# Altium PCB Zenith Solar Panel 2U.PcbDoc
Units mm, origin at the board's own origin, x right, y up, seen from the top; angles counter-clockwise.
Board outline 214 x 87 mm, 2 copper layers (Top Layer, Bottom Layer), stack 1.649 mm thick; 59 components, 40 nets, 199 pads, 725 vias.
Unrouted connection lines stored in the file: 33.
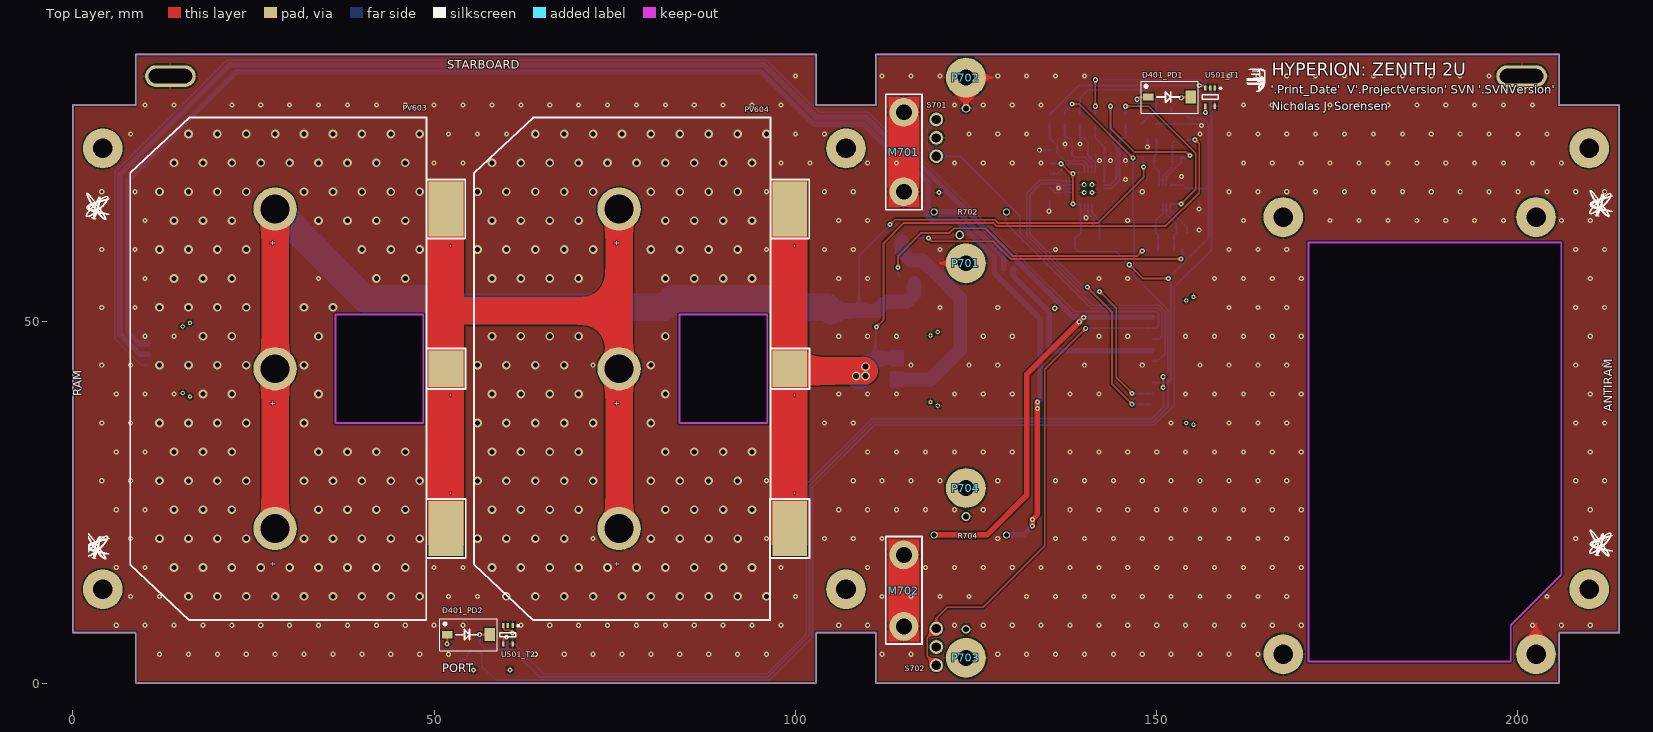
[diagram p0: Top Layer view]
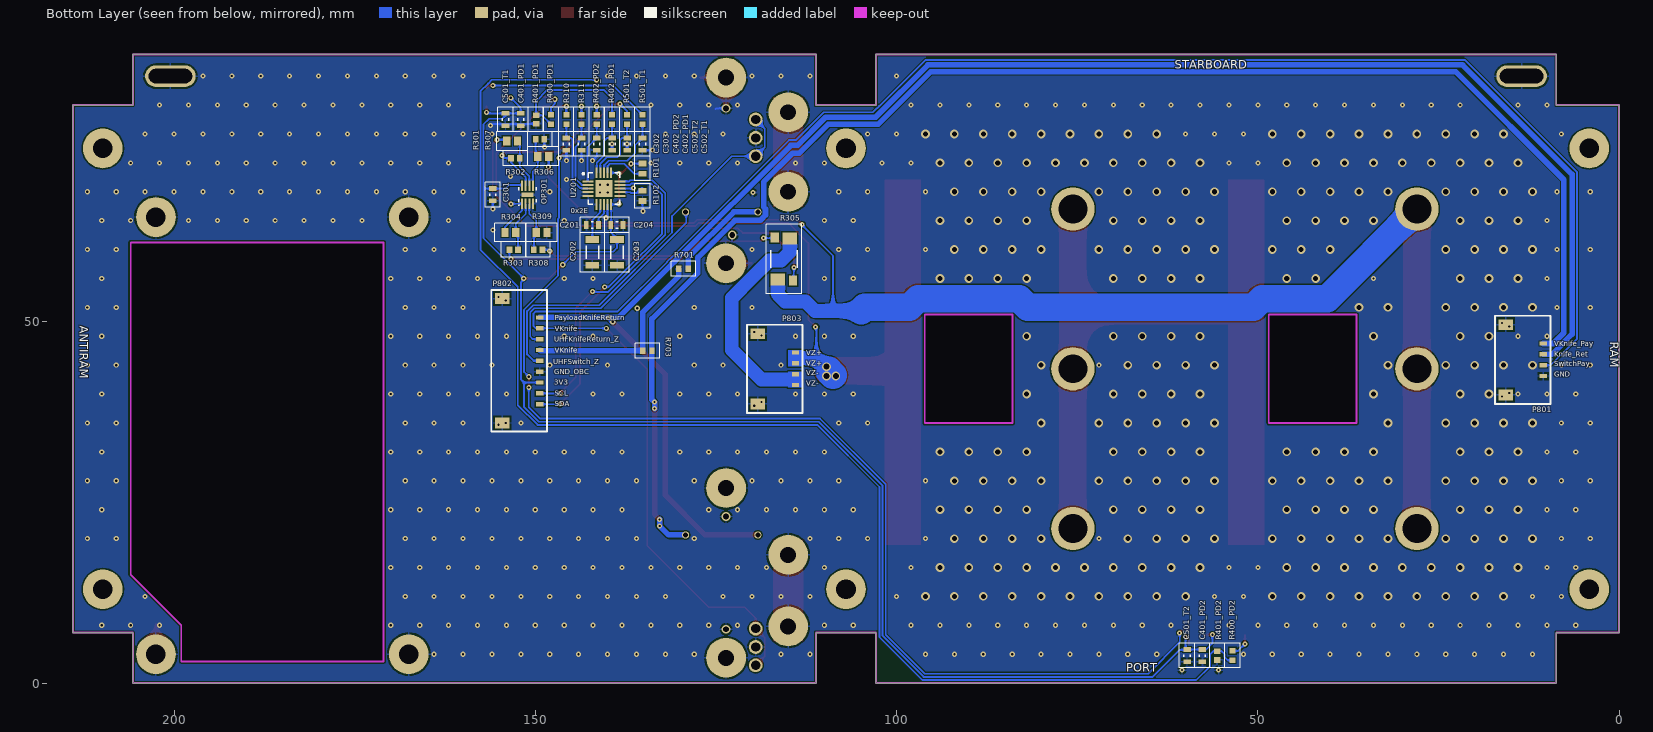
[diagram p1: Bottom Layer view, seen from below]

## Layer stack, top to bottom
Top Solder: solder mask 0.01, Solder Resist, Dk 3.5
Top Layer: signal copper 0.07
Dielectric 1: dielectric 1.509, FR-4, Dk 4.8
Bottom Layer: signal copper 0.07
Bottom Solder: solder mask 0.01, Solder Resist, Dk 3.5

## Board outline
0,7 8.7,7 8.7,0 102.85,0 102.85,7 111.15,7 111.15,0 205.7,0 205.7,7 214,7 214,80 205.697,80 205.697,87 111.15,87 111.15,80 102.85,80 102.85,87 8.7,87 8.7,80 0,80
cut-out: 96.1,51 83.95,51 83.95,36 96.1,36
cut-out: 48.5,51 36.35,51 36.35,36 48.5,36
cut-out: 206,61 171,61 171,3 199,3 199,8 206,15

## Design rules (kind name [scope] priority, off if disabled: settings)
BoardOutlineClearance [All] p1: gap=0.254 ignorepadtopadclearanceinfootprint=FALSE
Clearance Clearance_1 [(InComponent('P701') OR InComponent('P702')) AND InNet('V-') vs InNet('GND')] p1: gap=0.5 ignorepadtopadclearanceinfootprint=FALSE
Clearance [All] p2: gap=0.178 ignorepadtopadclearanceinfootprint=FALSE
HoleSize [All] p1: absolutevalues=TRUE maxlimit=6 minlimit=0.3 maxpercent=80.000 minpercent=20.000
MinimumAnnularRing [All] p1: minimumring=0.15
MinimumSolderMaskSliver [All] p1: minsoldermaskwidth=0.127
PolygonConnect "Stitching Vias" [InNet('VIN6') and AsMM(ViaDiameter) = 0.71] p1: connectstyle=Direct reliefconductorwidth=0.254 reliefentries=4 polygonreliefangle="90 Angle" airgapwidth=0.254
PolygonConnect [All] p2: connectstyle=Relief reliefconductorwidth=0.254 reliefentries=4 polygonreliefangle="90 Angle" airgapwidth=0.254
RoutingVias [All] p1: holewidth=0.3 width=0.7 viastyle="Through Hole" minholewidth=0.2 minwidth=0.5 maxholewidth=6 maxwidth=7 useviatemplates=TRUE viatemplateguid#1={58259FED-AC49-44AB-92BA-426493FD745D} viatemplatename#1=v70h30m0mx0_2670034071
SilkToSilkClearance [All] p1: silktosilkclearance=0.025
SilkToSolderMaskClearance [IsPad] p1: minsilkscreentomaskgap=0.025 clearancetoexposedcopper=TRUE
SolderMaskExpansion [All] p1: expansion=0.076 istentingtop=FALSE
Width [All] p1: maxlimit=10.16 minlimit=0.203 preferedwidth=0.254
26 further rules are at their usual default settings.

## Classes and differential pairs
channel class Temp_Sensor: T1 T2 T3
channel class Photodiode_Sun_Sensor: PD1 PD2 PD3
component class T2: C501_T2 C502_T2 R501_T2 U501_T2
component class T1: C501_T1 C502_T1 R501_T1 U501_T1
component class "Zenith 2U": R101 R102
component class Headers: P801 P802 P803
component class PD2: C401_PD2 C402_PD2 D401_PD2 R400_PD2 R401_PD2 R402_PD2
component class PD1: C401_PD1 C402_PD1 D401_PD1 R400_PD1 R401_PD1 R402_PD1
component class "Mechanical Interfacing": M701 M702 P701 P702 P703 P704 R701 R702 R703 R704 S701 S702
component class "Current and Voltage Sensors": C301 C302 C303 OP301 R301 R302 R303 R304 R305 R306 R307 R308 R309 R310 R311
component class "Photovoltaic Array": PV603 PV604 Q101
net class VIN[0..7]: VIN0 VIN1 VIN2 VIN3 VIN4 VIN5 VIN6
component class "U_AD7291 12-Bit I2C ADC": C201 C202 C203 C204 U201

## Components (designator, comment, footprint, x,y, rotation, side; value= is the part's Value field where it differs from the comment)
C201 "Cap" TDK-CGA3E 142.1,63.4 r180 bottom value=1µF
C202 "Cap" TDK-CGA5L 142.1,59.6 r270 bottom value=10µF
C203 "Cap" TDK-CGA5L 138.7,59.6 r270 bottom value=10µF
C204 "Cap" TDK-CGA3E 138.7,63.4 r0 bottom value=0.1µF
C301 "Cap" TDK-CGA3E 155.88,67.591 r90 bottom value=0.1µF
C302 "Cap" TDK-CGA3E 145.7,74.6 r90 bottom value=680pF
C303 "Cap" TDK-CGA3E 143.599,74.6 r90 bottom value=680pF
C401_PD1 "Cap" TDK-CGA3E 152.03,78 r90 bottom value=0.1µF (schematic designator C401)
C401_PD2 "Cap" TDK-CGA3E 57.7,3.8 r90 bottom value=0.1µF (schematic designator C401)
C402_PD1 "Cap" TDK-CGA3E 139.369,74.6 r90 bottom value=680pF (schematic designator C402)
C402_PD2 "Cap" TDK-CGA3E 141.5,74.6 r90 bottom value=680pF (schematic designator C402)
C501_T1 "Cap" TDK-CGA3E 154.129,78 r90 bottom value=0.1µF (schematic designator C501)
C501_T2 "Cap" TDK-CGA3E 59.8,3.8 r90 bottom value=0.1µF (schematic designator C501)
C502_T1 "Cap" TDK-CGA3E 135.169,74.6 r90 bottom value=680pF (schematic designator C502)
C502_T2 "Cap" TDK-CGA3E 137.291,74.6 r90 bottom value=680pF (schematic designator C502)
D401_PD1 "PDB-C160SMCT-ND" PDB-C160SM 148.835,81.1 r0 top (schematic designator D401)
D401_PD2 "PDB-C160SMCT-ND" PDB-C160SM 51.8,6.7 r0 top (schematic designator D401)
M701 "2U UHF Saddle" 2U_ANTENNA_SADDLE 115,79 r270 top
M702 "2U YU Payload Saddle" 2U_YU_Saddle 115,12.8 r0 top
OP301 "OPA2333" TI-DSG0008A 151.08,67.591 r90 bottom
P701 "Mounting_Hole" BURNWIRE_SCREW 123.6,58.1 r0 top
P702 "Mounting_Hole" BURNWIRE_SCREW 123.6,83.8 r0 top
P703 "Mounting_Hole" Burnwire_Screw 123.6,3.5 r0 top
P704 "Mounting_Hole" Burnwire_Screw 123.6,27 r0 top
P801 "WM10137CT-ND" MOLX-5040500491 10.5,44.75 r270 bottom
P802 "WM10144CT-ND" MOLX-5040500991 149.387,44.6 r270 bottom
P803 "WM10137CT-ND" MOLX-5040500491 114,43.5 r270 bottom
PV603 "XTJPrime" "XTJ PRIME" 28,43.5 r270 top
PV604 "XTJPrime" "XTJ PRIME" 75.6,43.5 r270 top
R101 "Res3" VSH-0603MCT 135.169,71.2 r90 bottom value=10k
R102 "Res3" VSH-0603MCT 135.169,67.441 r270 bottom value=10k
R301 "0.1% 1/8W" PANA-ERA6A 153.2,75 r180 bottom value=1M
R302 "0.1% 1/10W 0603" PANA-ERA3A 152.75,72.65 r0 bottom value=154k
R303 "0.1% 1/10W 0603" PANA-ERA3A 152.98,59.998 r180 bottom value=2.4k
R304 "0.1% 1/8W" PANA-ERA6A 153.45,62.35 r0 bottom value=1M
R305 "Res Sense" VSH-2512R4C 115.6,58.7 r90 bottom value=0.01
R306 "0.1% 1/8W" PANA-ERA6A 148.9,72.9 r0 bottom value=1M
R307 "0.1% 1/10W 0603" PANA-ERA3A 149.35,75.25 r180 bottom value=154k
R308 "0.1% 1/10W 0603" PANA-ERA3A 149.6,60 r0 bottom value=2.4k
R309 "0.1% 1/8W" PANA-ERA6A 149.13,62.35 r180 bottom value=1M
R310 "Res3" PANA-ERJ3EK 145.7,78 r90 bottom value=100
R311 "Res3" PANA-ERJ3EK 143.6,78 r90 bottom value=100
R400_PD1 "Res3" PANA-ERJ3EK 147.821,78 r90 bottom value=9.09k (schematic designator R400)
R400_PD2 "Res3" PANA-ERJ3EK 53.5,3.8 r90 bottom value=9.09k (schematic designator R400)
R401_PD1 "0.1% 1/16W" PANA-ERA3A 149.899,78 r90 bottom value=24k (schematic designator R401)
R401_PD2 "0.1% 1/16W" PANA-ERA3A 55.6,3.8 r90 bottom value=24k (schematic designator R401)
R402_PD1 "Res3" PANA-ERJ3EK 139.369,78 r90 bottom value=100 (schematic designator R402)
R402_PD2 "Res3" PANA-ERJ3EK 141.5,78 r90 bottom value=100 (schematic designator R402)
R501_T1 "Res3" PANA-ERJ3EK 135.169,78 r90 bottom value=100 (schematic designator R501)
R501_T2 "Res3" PANA-ERJ3EK 137.291,78 r90 bottom value=100 (schematic designator R501)
R701 "Jumper" PANA-ERJ3G 129.5,57.35 r180 bottom value=0
R702 "Res3" VSH-CPF1 129.2,65.2 r180 top value=10
R703 "Jumper" PANA-ERJ3G 134.5,46 r180 bottom value=0
R704 "Res3" VSH-CPF1 119.2,20.5 r0 top value=10
S701 "AV4424" PANA-AV4424 119.5,78 r270 top
S702 "AV4424" PANA-AV4424 119.5,2.46 r90 top
U201 "AD7291" ADI-CP-20-8 140.5,68.441 r180 bottom
U501_T1 "TMP235AEDCKRQ1" TI-R-PDSO-G5 157.4,81.1 r270 top (schematic designator U501)
U501_T2 "TMP235AEDCKRQ1" TI-R-PDSO-G5 60.2,6.7 r270 top (schematic designator U501)

## Footprints (in the part's own frame and the unit in brackets; to place one, negate y for a bottom-side part, rotate by r counter-clockwise, add the part's x,y. Pads: shape width x height; smd on the part's side, far side on the other; paste and mask are expansions set on the pad)
2U_ANTENNA_SADDLE [mm] "2U saddle for attaching antenna to panel"
  round 4 / inner round 4 / far side round 5.5 hole 2.2: 1(0,0) 1(11,0)
  Top Layer region: -2.125,-2.125 13.125,-2.125 13.125,2.125 -2.125,2.125
  silkscreen extent -2.5,-2.5 13.5,2.5, body extent -2.25,-2.31 13.25,2.31, height 6.91
2U_YU_Saddle [mm]
  round 4 / inner round 4 / far side round 5.5 hole 2.2: 1(0,-4.95) 1(0,4.95)
  Top Layer region: 2.125,-7.075 2.125,7.075 -2.125,7.075 -2.125,-7.075
  silkscreen extent -2.5,-7.4 2.5,7.5, body extent -2.31,-7.2 2.31,7.2, height 4.85
ADI-CP-20-8 [mm] "QFN, 20-Leads, Body 4.00x4.00mm, Pitch 0.50mm, Thermal Pad 2.55x2.55mm, IPC Low Density"
  rect 1.5x0.27 smd mask+0.038: 1(-2.2,1) 2(-2.2,0.5) 3(-2.2,0) 4(-2.2,-0.5) 5(-2.2,-1) 11(2.2,-1) 12(2.2,-0.5) 13(2.2,0) 14(2.2,0.5) 15(2.2,1)
  rect 0.27x1.5 smd mask+0.038: 6(-1,-2.2) 7(-0.5,-2.2) 8(0,-2.2) 9(0.5,-2.2) 10(1,-2.2) 16(1,2.2) 17(0.5,2.2) 18(0,2.2) 19(-0.5,2.2) 20(-1,2.2)
  rect 2.4x2.4 smd: 21(0,0)
  silkscreen extent -2.98,-2.2 2.2,2.2, body extent -2.07,-2.07 2.07,2.07, height 0.8
BURNWIRE_SCREW [mm]
  round 5.5 hole 2.2: 1(0,0)
  body extent -2.25,-2.31 2.25,2.31, height 2.15
Burnwire_Screw [mm]
  round 5.5 hole 2.2: 1(0,0)
  body extent -2.25,-2.31 2.25,2.31, height 2.15
MOLX-5040500491 [mm]
  rect 0.6x1 smd: 1(-2.25,0) 2(-0.75,0) 3(0.75,0) 4(2.25,0)
  round 0.6 hole 0.3 mask+0.102: M1(-5.105,-5.7) M1(-4.605,-4.7) M2(4.605,-4.7) M2(5.105,-5.7)
  rect 1.5x2 smd: M1(-4.855,-5.2) M2(4.855,-5.2)
  silkscreen extent -6.1,-6.7 6.1,1, body extent -5.28,-8.2 5.28,0.39, height 2.01
MOLX-5040500991 [mm]
  rect 0.6x1 smd: 1(-6,0) 2(-4.5,0) 3(-3,0) 4(-1.5,0) 5(0,0) 6(1.5,0) 7(3,0) 8(4.5,0) 9(6,0)
  round 0.6 hole 0.3 mask+0.102: M1(-8.855,-5.7) M1(-8.355,-4.7) M2(8.605,-4.7) M2(8.855,-5.7)
  rect 1.5x2 smd mask+0.102: M1(-8.605,-5.2) M2(8.605,-5.2)
  silkscreen extent -9.8,-6.7 9.8,1, body extent -9.02,-8.2 9.03,0.24, height 1.97
PANA-AV4424 [mm]
  round 1.905 hole 1.27: 1(2.54,0) 2(0,0) 3(5.08,0)
  body extent -1.21,-1.25 6.29,1.25, height 5.81
PANA-ERA3A [mm] "Chip Resistor, 2-Leads, Body 1.60x0.80mm, IPC High Density"
  rect 0.8x0.9 smd: 1(-0.6,0) 2(0.6,0)
  silkscreen extent -1.7,-1.05 1.7,1.05, body extent -0.9,-0.5 0.9,0.5, height 0.55
PANA-ERA6A [mm] "Chip Resistor, 2-Leads, Body 2.00x1.25mm, IPC High Density"
  rect 1x1.25 smd: 1(-0.75,0) 2(0.75,0)
  silkscreen extent -2.15,-1.3 2.15,1.3, body extent -1.1,-0.67 1.1,0.67, height 0.6
PANA-ERJ3EK [mm] "Chip Resistor, 2-Leads, Body 1.60x0.85mm, IPC High Density"
  rect 0.75x0.85 smd: 1(-0.65,0) 2(0.65,0)
  silkscreen extent -1.7,-1.05 1.7,1.05, body extent -0.88,-0.48 0.87,0.48, height 0.55
PANA-ERJ3G [mm] "Chip Resistor, 2-Leads, Body 1.60x0.85mm, IPC High Density"
  rect 0.75x0.85 smd: 1(-0.65,0) 2(0.65,0)
  silkscreen extent -1.7,-1.05 1.7,1.05, body extent -0.88,-0.48 0.87,0.48, height 0.55
PDB-C160SM [mm] "Photodiode"
  rect 1.45x1 smd: 1(0,0)
  rect 1.45x1.8 smd: 2(5.9,0)
  silkscreen extent -1,-2.2 6.9,2.2, body extent -0.29,-1.87 6.18,1.97, height 1.15
TDK-CGA3E [mm] "Chip Capacitor, 2-Leads, Body 1.60x0.80mm, IPC Low Density"
  rect 0.65x1.05 smd: 1(-0.85,0) 2(0.85,0)
  silkscreen extent -1.7,-1.05 1.7,1.05, body extent -0.85,-0.45 0.85,0.45, height 0.8
TDK-CGA5L [mm] "Chip Capacitor, 2-Leads, Body 3.20x1.60mm, IPC Low Density"
  rect 0.95x1.9 smd: 1(-1.775,0) 2(1.775,0)
  silkscreen extent -2.75,-1.7 2.75,1.7, body extent -1.7,-0.9 1.7,0.9, height 1.6
TI-DSG0008A [mm] "SON, 8-Leads, Body 2.00x2.00mm, Pitch 0.50mm, Thermal Pad 1.60x0.69mm, IPC Low Density"
  rect 1.4x0.27 smd mask+0.051: 1(-1.245,0.75) 2(-1.245,0.25) 3(-1.245,-0.25) 4(-1.245,-0.75) 5(1.245,-0.75) 6(1.245,-0.25) 7(1.245,0.25) 8(1.245,0.75)
  rect 0.6x1.6 smd mask+0.051: 9(0,0)
  silkscreen extent -1.5,-1.2 1.05,1.25, body extent -1.05,-1.05 1.05,1.05, height 0.8
TI-R-PDSO-G5 [mm] "SOT23, 5-Leads, Body 2.00x2.10mm, Pitch 0.65mm, IPC Low Density"
  rect 0.712x0.35 smd: 1(-1.266,0.65) 2(-1.266,0) 3(-1.266,-0.65) 4(1.266,-0.65) 5(1.266,0.65)
  silkscreen extent -1.35,-1.1 0.3,1.55, body extent -1.2,-1.07 1.2,1.08, height 1.1
VSH-0603MCT [mm] "Chip Resistor, 2-Leads, Body 1.55x0.85mm, IPC Low Density"
  rect 0.8x1.05 smd: 1(-0.7,0) 2(0.7,0)
  silkscreen extent -1.7,-1.05 1.7,1.05, body extent -0.8,-0.48 0.8,0.48, height 0.55
VSH-2512R4C [mm]
  rect 1.65x2.01 smd: 1(-2.855,0.835) 2(2.855,-0.835)
  rect 1.39x1.14 smd: 3(2.999,1.27) 4(-2.999,-1.27)
  silkscreen extent -4.8,-2.45 4.8,2.45, body extent -3.15,-1.55 3.15,1.55, height 0.61
VSH-CPF1 [mm] "RESISTOR METAL FILM 1W 1.00K OHM"
  round 1 hole 0.7: 1(0,0) 2(10,0)
  body extent -0.23,-1.13 10.28,1.19, height 3.81
"XTJ PRIME" [mil] "Spectrolab Solar Cell"
  round 236.22 hole 157.48: 1(-870.5,0) 1(0,0) 1(870.5,0)
  rect 300x190 smd: 2(-870.5,930) 2(870.5,930)
  rect 200x190 smd: 2(0,930)
  silkscreen extent -1369,-790 1369,1038, body extent -1356,-778 1356,1006, height 63

## Part data
C201: library part PC-TDK-02603, "CAP CER 1UF 25V X7R 0603", Manufacturer Part Number=CGA3E1X7R1E105K080AC, Supplier Part Number 1=445-6931-1-ND, Temperature Coefficient=X7R, Tolerance=±10%, Voltage - Rated=25V, Applications=Automotive, Index=2603, LatestRevisionDate=2016-03-16, LatestRevisionNote=..., PackageDescription="Radial Cap, Thru-Hole; 2 Leads; 0.3 in Pin Spacing", PackageReference="0603 (1608 Metric)", Part Number=PC-TDK-02603, Published=2016-03-16, Publisher=AlbertaSat, Supplier 1=Digi-key, Supplier Link=http://www.digikey.ca/product-search/en?keywords=445-6931-1-ND
C202 C203: library part PC-TDK-02917, "CAP CER 10UF 25V X7R 1206", Manufacturer Part Number=CGA5L1X7R1E106K160AC, Supplier Part Number 1=445-6990-1-ND, Temperature Coefficient=X7R, Tolerance=±10%, Voltage - Rated=25V, Applications=Automotive, Index=2917, LatestRevisionDate=3/16/2016, LatestRevisionNote=..., PackageDescription="Radial Cap, Thru-Hole; 2 Leads; 0.3 in Pin Spacing", PackageReference="1206 (3216 Metric)", Part Number=PC-TDK-02917, Published=3/16/2016, Publisher=AlbertaSat, Supplier 1=Digi-key, Supplier Link=http://www.digikey.ca/product-search/en?keywords=445-6990-1-ND
C204 C301 C401_PD1 C401_PD2 C501_T1 C501_T2: library part PC-TDK-02270, "CAP CER 0.1UF 25V X7R 0603", Manufacturer Part Number=CGA3E2X7R1E104M080AA, Supplier Part Number 1=445-12541-1-ND, Temperature Coefficient=X7R, Tolerance=±20%, Voltage - Rated=25V, Applications=Automotive, Index=2270, LatestRevisionDate=3/16/2016, LatestRevisionNote=..., PackageDescription="Radial Cap, Thru-Hole; 2 Leads; 0.3 in Pin Spacing", PackageReference="0603 (1608 Metric)", Part Number=PC-TDK-02270, Published=3/16/2016, Publisher=AlbertaSat, Supplier 1=Digi-key, Supplier Link=http://www.digikey.ca/product-search/en?keywords=445-12541-1-ND
C302 C303 C402_PD1 C402_PD2 C502_T1 C502_T2: library part PC-TDK-01433, "CAP CER 680PF 50V X7R 0603", Manufacturer Part Number=CGA3E2X7R1H681K, Supplier Part Number 1=445-6919-1-ND, Temperature Coefficient=X7R, Tolerance=±10%, Voltage - Rated=50V, Applications=Automotive, Index=1433, LatestRevisionDate=3/16/2016, LatestRevisionNote=..., PackageDescription="Radial Cap, Thru-Hole; 2 Leads; 0.3 in Pin Spacing", PackageReference="0603 (1608 Metric)", Part Number=PC-TDK-01433, Published=3/16/2016, Publisher=AlbertaSat, Supplier 1=Digi-key, Supplier Link=http://www.digikey.ca/product-search/en?keywords=445-6919-1-ND
D401_PD1 D401_PD2: library part PXX-ADP-00000, "SENSOR PHOTODIODE 850NM 2SMD GW", Manufacturer Part Number="Advanced Photonics", Index=1, LatestRevisionDate=3/28/2020, LatestRevisionNote=..., PackageReference=PIN2, Part Number=PXX-ADP-00000, Published=3/28/2020, Publisher=AlbertaSat, Supplier 1=Digi-key, Supplier Part Number 1=PDB-C160SMCT-ND
M701: library part PXX-ABS-00012, "Saddle for the UHF antennas to be seated in.", Manufacturer Part Number=Custom, Index=13, LatestRevisionNote=..., Part Number=PXX-ABS-00012, Publisher=AlbertaSat, Supplier 1=Digi-key
M702: library part PXX-ABS-00020, Manufacturer Part Number=Custom, Index=20, LatestRevisionNote=..., Part Number=PXX-ABS-00020, Publisher=AlbertaSat, Supplier 1=Digi-key
OP301: library part 73, "CMOS Amplifier 2 Circuit Rail-to-Rail 8-WSON (2x2)", Manufacturer Part Number=OPA2333PIDSGR, Operating Temperature="-55°C ~ 150°C", Supplier Part Number 1=296-51501-1-ND, Voltage - Supply="1.8V ~ 5.5V, ±0.9V ~ 2.75V", PackageReference="8-WFDFN Exposed Pad", Part Number=73, Supplier 1=Digi-Key, Supplier 2=Mouser, Supplier Link=#https://www.digikey.ca/product-detail/en/texas-instruments/OPA2333PIDSGR/296-51501-1-ND/9745865#, Supplier Part Number 2=595-OPA2333PIDSGR
P701 P702 P703 P704: library part PXX-ABS-00015, Manufacturer Part Number=Custom, Index=15, LatestRevisionNote=..., Part Number=PXX-ABS-00015, Publisher=AlbertaSat, Supplier 1=Digi-key
P801 P803: library part 63, "CONN HEADER SMD R/A 4POS 1.5MM", Manufacturer Part Number=5040500491, LatestRevisionDate=17-Jul-2002, LatestRevisionNote="Re-released for DXP Platform.", Part Number=63, Publisher="Altium Limited", Supplier 1=Digi-Key, Supplier Link=#https://www.digikey.ca/product-detail/en/molex/5040500491/WM10137CT-ND/4357653#, Supplier Part Number 1=WM10137CT-ND
P802: library part 68, "CONN HEADER SMD R/A 9POS 1.5MM", Manufacturer Part Number=5040500991, Supplier Part Number 1=WM25695CT-ND, LatestRevisionDate=17-Jul-2002, LatestRevisionNote="Re-released for DXP Platform.", Part Number=68, Publisher="Altium Limited", Supplier 1=Digi-Key, Supplier Link=#https://www.digikey.ca/product-detail/en/molex/5040500991/WM25695CT-ND/9954121#
PV603 PV604: library part PBT-SPEC-00002, Manufacturer Part Number=Spectrolab, Supplier Part Number 1="UTJ CIC 26.26cm^2", Index=2, LatestRevisionNote=..., PackageReference="3-Connector Solar Cell", Part Number=PBT-SPEC-00002, Publisher=AlbertaSat, Supplier 1=Spectrolab
R101 R102: library part PR-VSH-00143, "RES SMD 10K OHM 1% 1/8W 0603", Manufacturer Part Number=MCT06030C1002FP500, Power - Rated=1/8W, Supplier Part Number 1=MCT0603-10.0K-CFCT-ND, Temperature Coefficient=±50ppm/°C, Tolerance=±1%, Applications="General Purpose", Index=143, LatestRevisionDate=3/14/2016, LatestRevisionNote=..., PackageDescription="Chip Resistor, 2-Leads, Body 1.55x0.85mm, IPC Low Density", PackageReference="0603 (1608 Metric)", Part Number=PR-VSH-00143, Published=3/14/2016, Publisher=AlbertaSat, Supplier 1=Digi-key, Supplier Link=http://www.digikey.ca/product-search/en?keywords=MCT0603-10.0K-CFCT-ND
R301 R304 R306 R309: library part 19706, "RES SMD 1M OHM 0.1% 1/8W 0805", Manufacturer Part Number=ERA-6AEB105V, Power="0.125W, 1/8W", Supplier Part Number 1=P1MDACT-ND, Temperature Coefficient=±25ppm/°C, Tolerance=±0.1%, LatestRevisionDate=29-May-2009, LatestRevisionNote="IPC-7351 Footprint Added.", PackageDescription="Chip Resistor, 2-Leads, Body 2.00x1.25mm, IPC Low Density", PackageReference="0805 (2012 Metric)", Part Number=19706, Published=8-Jun-2000, Publisher="Altium Limited", Supplier 1=Digi-Key, Supplier Link=http://www.digikey.ca/product-search/en?keywords=P1MDACT-ND
R302 R307: library part 18923, "RES SMD 154K OHM 0.1% 1/10W 0603", Manufacturer Part Number=ERA-3AEB1543V, Power="0.1W, 1/10W", Supplier Part Number 1=P154KDBCT-ND, Temperature Coefficient=±25ppm/°C, Tolerance=±0.1%, LatestRevisionDate=29-May-2009, LatestRevisionNote="IPC-7351 Footprint Added.", PackageDescription="Chip Resistor, 2-Leads, Body 1.60x0.80mm, IPC Low Density", PackageReference="0603 (1608 Metric)", Part Number=18923, Published=8-Jun-2000, Publisher="Altium Limited", Supplier 1=Digi-Key, Supplier Link=http://www.digikey.ca/product-search/en?keywords=P154KDBCT-ND
R303 R308: library part 16107, "RES SMD 2.4K OHM 0.1% 1/10W 0603", Manufacturer Part Number=ERA-3ARB242V, Power="0.1W, 1/10W", Supplier Part Number 1=P2.4KBDCT-ND, Temperature Coefficient=±10ppm/°C, Tolerance=±0.1%, LatestRevisionDate=29-May-2009, LatestRevisionNote="IPC-7351 Footprint Added.", PackageDescription="Chip Resistor, 2-Leads, Body 1.60x0.80mm, IPC Low Density", PackageReference="0603 (1608 Metric)", Part Number=16107, Published=8-Jun-2000, Publisher="Altium Limited", Supplier 1=Digi-Key, Supplier Link=http://www.digikey.ca/product-search/en?keywords=P2.4KBDCT-ND
R305: library part PR-VSH-00237, "RES SMD 0.01 OHM 0.1% 1W 2512", Manufacturer Part Number=Y14870R01000B9W, Power - Rated=1W, Supplier Part Number 1=Y1487-.01-ND, Temperature Coefficient=±15ppm/°C, Tolerance=±0.1%, Applications=Automotive, Index=237, LatestRevisionDate=2017-07-12, LatestRevisionNote=..., PackageReference=VSH-2512R4C, Part Number=PR-VSH-00237, Published=2017-07-12, Publisher=AlbertaSat, Supplier 1=Digi-key, Supplier Link=http://www.digikey.ca/product-search/en?keywords=Y1487-.01-ND
R310 R311 R402_PD1 R402_PD2 R501_T1 R501_T2: library part 14083, "RES SMD 100 OHM 1% 1/10W 0603", Manufacturer Part Number=ERJ-3EKF1000V, Power="0.1W, 1/10W", Supplier Part Number 1=P100HCT-ND, Temperature Coefficient=±100ppm/°C, Tolerance=±1%, LatestRevisionDate=29-May-2009, LatestRevisionNote="IPC-7351 Footprint Added.", PackageDescription="Chip Resistor, 2-Leads, Body 1.60x0.80mm, IPC Low Density", PackageReference="0603 (1608 Metric)", Part Number=14083, Published=8-Jun-2000, Publisher="Altium Limited", Supplier 1=Digi-Key, Supplier Link=http://www.digikey.ca/product-search/en?keywords=P100HCT-ND
R400_PD1 R400_PD2: library part 17130, "RES SMD 9.09K OHM 1% 1/10W 0603", Manufacturer Part Number=ERJ-3EKF9091V, Power="0.1W, 1/10W", Supplier Part Number 1=P9.09KHCT-ND, Temperature Coefficient=±100ppm/°C, Tolerance=±1%, LatestRevisionDate=29-May-2009, LatestRevisionNote="IPC-7351 Footprint Added.", PackageDescription="Chip Resistor, 2-Leads, Body 1.60x0.80mm, IPC Low Density", PackageReference="0603 (1608 Metric)", Part Number=17130, Published=8-Jun-2000, Publisher="Altium Limited", Supplier 1=Digi-Key, Supplier Link=http://www.digikey.ca/product-search/en?keywords=P9.09KHCT-ND
R401_PD1 R401_PD2: library part 17836, "RES SMD 24K OHM 0.1% 1/10W 0603", Manufacturer Part Number=ERA-3ARB243V, Power="0.1W, 1/10W", Supplier Part Number 1=P24KBDCT-ND, Temperature Coefficient=±10ppm/°C, Tolerance=±0.1%, LatestRevisionDate=29-May-2009, LatestRevisionNote="IPC-7351 Footprint Added.", PackageDescription="Chip Resistor, 2-Leads, Body 1.60x0.80mm, IPC Low Density", PackageReference="0603 (1608 Metric)", Part Number=17836, Published=8-Jun-2000, Publisher="Altium Limited", Supplier 1=Digi-Key, Supplier Link=http://www.digikey.ca/product-search/en?keywords=P24KBDCT-ND
R701 R703: library part 13128, "RES SMD 0.0OHM JUMPER 1/10W 0603", Manufacturer Part Number=ERJ-3GEY0R00V, Power="0.1W, 1/10W", Supplier Part Number 1=P0.0GCT-ND, Temperature Coefficient=-, PackageDescription="Chip Resistor, 2-Leads, Body 1.60x0.80mm, IPC Low Density", PackageReference="0603 (1608 Metric)", Part Number=13128, Supplier 1=Digi-Key, Supplier Link=http://www.digikey.ca/product-search/en?keywords=P0.0GCT-ND, Tolerance=Jumper, Type=Jumper
R702 R704: library part PR-VSH-00317, "21 Ohms ±1% 1W Through Hole Resistor Axial Flame Proof, Moisture Resistant, Safety Metal Film", Manufacturer Part Number=CPF121R000FKEE6, Power - Rated=1W, Supplier Part Number 1=CPF21.0CCT-ND, Temperature Coefficient=±100ppm/°C, Tolerance=±1%, Index=317, LatestRevisionDate=2/27/2020, LatestRevisionNote=..., PackageDescription="Chip Resistor", PackageReference=VSH-CPF1, Part Number=PR-VSH-00317, Published=2/27/2020, Publisher=AlbertaSat, Supplier 1=Digi-key, Supplier Link=#https://www.digikey.ca/product-detail/en/vishay-dale/CPF121R000FKEE6/CPF21.0CCT-ND/2713126#
S701 S702: library part 20035, "SWITCH SNAP ACT SPDT 500MA 30V", Supplier Part Number 1=255-3743-ND, Manufacturer Part Number=AV4424, Part Number=20035, Supplier 1=Digi-Key, Supplier Link=#https://www.digikey.com/product-detail/en/panasonic-electric-works/AV4424/255-3743-ND/646766#
U201: library part PU-ADI-00006, "IC ADC 12BIT SAR 20LFCSP", Manufacturer Part Number=AD7291TCPZ-EP, Supplier Part Number 1=AD7291TCPZ-EP-ND, Index=6, LatestRevisionDate=2019-07-16, LatestRevisionNote=..., PackageDescription="QFN, 20-Leads, Body 4.00x4.00mm, Pitch 0.50mm, Thermal Pad 2.55x2.55mm, IPC Low Density", PackageReference="20-WFQFN Exposed Pad", Part Number=PU-ADI-00006, Published=2019-07-16, Publisher=AlbertaSat, Supplier 1=Digi-key, Supplier 2=Mouser, Supplier Link=#https://www.digikey.ca/products/en?keywords=AD7291TCPZ-EP-ND#, Supplier Part Number 2=584-AD7291TCPZ-EP
U501_T1 U501_T2: library part 136, "LOW-POWER HIGH-ACCURACY ANALOG O", Operating Temperature="-40°C~150°C (TJ)", Supplier Part Number 1=296-TMP235AEDCKRQ1CT-ND, Manufacturer Part Number=TMP235AEDCKRQ1, PackageReference=SC-70-5, Part Number=136, Supplier 1=Digi-Key, Supplier Link=#https://www.digikey.ca/en/products/detail/texas-instruments/TMP235AEDCKRQ1/11308802#

## Free pads (board coordinates)
  oval 7x3 hole 2 slot 6 at 0 deg: 5(13.5,84) 5(200.5,84)
  round 5.5 hole 2.7: CHASSIS(4.15,13) CHASSIS(4.15,74) CHASSIS(107,13) CHASSIS(107,74) CHASSIS(167.5,4) CHASSIS(167.5,64.5) CHASSIS(202.5,4) CHASSIS(202.5,64.5) CHASSIS(209.85,13) CHASSIS(209.85,74)

## Via types
v1: diameter 0.71, hole 0.3, Top Layer to Bottom Layer, tented both sides, 410 vias
v2: diameter 1.2, hole 0.7, Top Layer to Bottom Layer, 245 vias
v3: diameter 0.7, hole 0.3, Top Layer to Bottom Layer, tented both sides, 59 vias
v4: diameter 0.711, hole 0.33, Top Layer to Bottom Layer, tented top, 4 vias
v5: diameter 1.2, hole 0.8, Top Layer to Bottom Layer, 4 vias
v6: diameter 1.2, hole 0.8, Top Layer to Bottom Layer, tented both sides, 3 vias

## Nets (pads, with @x,y where several pads share a name; then routed paths per layer and width w, separated by ;. In a path a pad name is that pad's centre, name@x,y a point inside that pad or via, vN(x,y) a via of type N, cw(c..) or ccw(c..) an arc to the next point about the centre after c; other vN are vias at no path point)
3V3: C203.1 C204.2 C301.2 C401_PD1.2 C401_PD2.2 C501_T1.2 C501_T2.2 D401_PD1.2 D401_PD2.2 OP301.8 P802.7 R101.2 U201.10 U201.16 U501_T1.4 U501_T2.4 | length 224.9
  Top Layer w0.254: v3(56.3,6.7) D401_PD2.2 ; U501_T2.4 59.55,6.1 59.621,6.171 59.652,6.171 59.874,6.393 v3(59.995,6.393) ; v3(136.754,71.88) 138.134,70.5 v3(138.4,70.5) v3(138.4,66.3) ; v3(146.2,57.9) 148.085,56.015 v3(151.6,56.015) ; v3(153.4,81) 153.5,81.1 D401_PD1.2 ; v3(156.75,79) U501_T1.4
  Bottom Layer w0.254: v3(56.3,6.7) 56.3,5.5 57.15,4.65 C401_PD2.2 C501_T2.2 ; v3(59.995,6.393) 60,6.387 60,4.848 59.802,4.65 C501_T2.2 ; R101.2 136.734,71.9 v3(136.754,71.88) ; v3(138.4,66.3) 138.459,66.241 U201.10 139.5,63.45 C204.2 139.55,62.398 138.7,61.548 C203.1 138.7,60.219 139.219,59.7 144.4,59.7 v3(146.2,57.9) ; v3(138.4,70.5) 138.541,70.641 U201.16 ; P802.7 151.568,41.6 ; OP301.8 151.935,68.941 153.58,68.941 154.08,68.441 157.168,68.441 ; v3(153.4,81) 152.03,79.63 C401_PD1.2 C501_T1.2 ; v3(156.75,79) 156.6,78.85 C501_T1.2 ; C501_T2.2 59.85,4.6 60.8,4.6 64.536,0.864 96.253,0.864 101.932,6.542 101.932,27.321 110.776,36.166 149.506,36.166 151.568,38.228 151.568,41.6 ; 151.568,41.6 151.995,42.027 151.995,55.434 151.6,55.829 v3(151.6,56.015) 157.168,61.583 157.168,68.441 ; C501_T1.2 154.129,78.555 154.587,78.097 156.403,78.097 157.168,77.332 157.168,68.441
I_buffer_out: OP301.1 R304.2 R310.2 | length 28
  Top Layer w0.254: v3(145.7,79.834) 148.866,79.834 155.4,73.3 155.4,68.35 v3(153.35,66.3)
  Bottom Layer w0.254: R310.2 v3(145.7,79.834) ; v3(153.35,66.3) 153.304,66.346 OP301.1 151.83,65.47 154.2,63.1 R304.2
NetC201_2: C201.2 U201.8 | length 3.2
  Bottom Layer w0.254: U201.8 140.477,66.218 140.477,65.049 141.25,64.276 C201.2
NetC202_1: C202.1 U201.7 | length 5.3
  Bottom Layer w0.254: U201.7 141,65.137 142.1,64.037 C202.1
NetD401_PD1_1: D401_PD1.1 R400_PD1.2 | length 4
  Top Layer w0.254: v3(147.3,80.8) 147.6,81.1 D401_PD1.1
  Bottom Layer w0.254: v3(147.3,80.8) 147.3,80.151 147.821,79.63 R400_PD1.2
NetD401_PD2_1: D401_PD2.1 R400_PD2.2 | length 3.4
  Top Layer w0.254: v3(51.8,5.4) D401_PD2.1
  Bottom Layer w0.254: v3(51.8,5.4) 52.75,4.45 R400_PD2.2
NetOP301_2: OP301.2 R303.2 R304.1 | length 7
  Bottom Layer w0.254: OP301.2 151.33,64.925 152.7,63.555 R304.1 152.38,62.03 R303.2
NetOP301_3: OP301.3 R308.2 R309.1 | length 6.9
  Bottom Layer w0.254: R308.2 150.2,62.03 R309.1 149.88,64.028 150.83,64.978 OP301.3
NetOP301_5: OP301.5 R306.2 R307.1 | length 6.8
  Bottom Layer w0.254: R307.1 149.95,73.2 R306.2 149.65,71.45 150.33,70.77 OP301.5
NetOP301_6: OP301.6 R301.2 R302.1 | length 6.8
  Bottom Layer w0.254: OP301.6 150.83,70.13 152.15,71.45 R302.1 152.15,74.7 R301.2
NetPV603_2: PV603.2 PV604.1 | length 84.2
  Top Layer w3.81: PV603.2@51.622,43.5 51.622,51.5 75.6,51.5 ; PV604.1@75.6,21.389 PV604.1@75.6,43.5 ; PV604.1@75.6,65.611 75.6,51.5 ; PV604.1@75.6,43.5 75.6,51.5 ; PV604.1@75.6,43.5 75.6,51.5
NetR101_1: R101.1 U201.17 | length 6.4
  Bottom Layer w0.254: R101.1 136.3,70.5 137.669,71.869 139.681,71.869 140,71.55 U201.17
NetR102_1: R102.1 U201.12 | length 3.5
  Bottom Layer w0.254: R102.1@135.169,68.5 135.294,68.5 135.949,67.845 136.765,67.845 136.861,67.941 U201.12@138.407,67.941
NetR303_1: R303.1 R305.3 | length 39.1
  Top Layer w0.203: v3(118.4,61.6) 118.871,61.129 127.371,61.129 127.6,60.9
  Top Layer w0.254: 127.6,60.9 129.809,58.691 v3(153.35,58.691)
  Bottom Layer w0.203: R305.3 116.969,61.6 v3(118.4,61.6)
  Bottom Layer w0.254: v3(153.35,58.691) 153.58,58.921 R303.1
NetR305_4: R305.4 R308.1 | length 41.4
  Top Layer w0.254: v3(114.2,57.5) 114.2,59.1 117.4,62.3 121.314,62.3 121.961,62.948 126.252,62.948 130.077,59.123 147.323,59.123 v3(148,59.8)
  Bottom Layer w0.203: v3(114.2,57.5) 114.2,56.5 114.406,56.294 R305.4@114.406,56.1
  Bottom Layer w0.254: v3(148,59.8) 148.2,60 R308.1
NetR400_PD1_1: R400_PD1.1 R401_PD1.2 R402_PD1.2 | length 18.5
  Bottom Layer w0.254: R402_PD1.2 139.369,80.919 140.55,82.1 148.33,82.1 149.899,80.531 R401_PD1.2 149.071,78.6 R400_PD1.1
NetR400_PD2_1: R400_PD2.1 R401_PD2.2 R402_PD2.2 | length 197.4
  Top Layer w0.254: v3(141.5,79.834) v3(141.5,83.5)
  Bottom Layer w0.254: R400_PD2.1 54.15,3.15 54.6,3.6 54.6,4 55,4.4 R401_PD2.2 56.194,4.4 56.6,3.994 56.6,2.35 58.518,0.432 96.432,0.432 102.364,6.364 102.364,27.142 110.921,35.7 145.7,35.7 145.734,35.734 149.685,35.734 152.427,38.476 152.427,54.827 157.6,60 157.6,81.906 156.535,82.971 156.006,83.5 153.6,83.5 v3(141.5,83.5) ; R402_PD2.2 v3(141.5,79.834)
NetR501_T1_2: R501_T1.2 U501_T1.3 | length 23.4
  Top Layer w0.254: v3(155.88,82.7) 156.416,82.7 U501_T1.3
  Bottom Layer w0.254: R501_T1.2 139.219,82.7 v3(155.88,82.7)
NetR501_T2_2: R501_T2.2 U501_T2.3 | length 172.8
  Top Layer w0.203: v3(150.9,40.9) v3(150.9,42.4)
  Top Layer w0.254: U501_T2.3 59.55,7.606 59.85,7.305 60.483,7.305 v3(60.85,6.939) ; v3(138.3,80.151) 139.249,80.151 v3(146.7,72.7)
  Bottom Layer w0.254: v3(60.85,6.939) 60.8,6.889 60.8,5.694 65.198,1.295 96.074,1.295 101.5,6.721 101.5,27.5 110.6,36.6 149.306,36.6 150.9,38.194 v3(150.9,40.9) ; R501_T2.2 137.291,79.143 v3(138.3,80.151) ; v3(146.7,72.7) 146.7,64.427 146.855,64.272 146.855,56.367 151.564,51.658 151.564,43.064 v3(150.9,42.4)
NetR701_2: R701.2 R702.2 | length 13.8
  Bottom Layer w0.762: R702.2 122.532,65.2 128.85,58.882 R701.2
NetU201_11: U201.11
PayloadKnifeReturn: P801.2 P802.1 R704.1 | length 234.8
  Top Layer w0.762: R704.1 126.5,20.5 132,26 132,42.719 v3(139.281,50) 139.812,50.531 139.831,50.531 v3(139.9,50.6)
  Bottom Layer w0.762: P801.2 9.3,45.5 6.5,48.3 6.5,70.395 21.678,85.573 95.657,85.573 102.916,78.314 109.816,78.314 113.711,74.419 114.641,74.419 130.727,58.334 130.756,58.334 131.084,58.006 131.084,57.977 138.461,50.6 v3(139.9,50.6) ; v3(139.281,50) 139.812,50.531 139.831,50.531 v3(139.9,50.6) ; P802.1 v3(139.9,50.6)
SCL: P802.8 U201.15 | length 45
  Top Layer w0.254: v3(142.1,54.2) 144.4,51.9 144.4,42.3 v3(146.6,40.1)
  Bottom Layer w0.254: U201.15 136.996,69.441 136.85,69.587 133.833,69.587 132.018,67.772 132.018,62.033 139.906,54.145 142.045,54.145 v3(142.1,54.2) ; v3(146.6,40.1) 147.5,40.1 P802.8
SDA: P802.9 U201.14 | length 44.5
  Top Layer w0.254: v3(140.4,54.8) 143.8,51.4 143.8,41.4 v3(146.6,38.6)
  Bottom Layer w0.254: U201.14 136.885,68.941 136.671,69.155 134.012,69.155 132.45,67.593 132.45,62.211 137.616,57.045 139.807,54.855 v3@140.4,54.855 ; v3(146.6,38.6) P802.9
SwitchPayload: P801.3 P802.2 S702.2 S702.3 | length 265.8
  Top Layer w0.254: S702.2 118.243,3.717 118.243,6.283 S702.3 119.5,9 121,10.5 126,10.5 134.5,19 134.5,43.428 v3(140.172,49.1)
  Bottom Layer w0.254: P801.3 9.5,44 5.814,47.686 5.814,70.679 21.394,86.259 95.941,86.259 102.318,79.882 102.418,79.882 102.418,79.821 102.671,79.568 102.732,79.568 103.3,79 110.1,79 113.957,75.143 114.888,75.143 131.011,59.02 131.041,59.02 131.77,58.291 131.77,58.261 138.594,51.436 149.953,51.436 150.236,51.153 150.236,49.4 149.936,49.1 P802.2 v3(140.172,49.1)
SwitchUHF_Z: P802.5 S701.2 S701.3 | length 56.1
  Bottom Layer w0.254: S701.2 118.243,76.743 118.243,74.177 S701.3 122.796,72.92 131.082,64.634 131.082,62.358 141.14,52.3 150.311,52.3 151.132,51.479 151.132,45.495 150.236,44.6 P802.5
UHFKnifeReturn_Z: P802.3 R702.1 | length 33.1
  Bottom Layer w0.254: R702.1 129.1,65.1 129.1,63.729 140.961,51.868 150.132,51.868 150.7,51.3 150.7,47.97 150.33,47.6 P802.3
V+: PV603.1 R305.1 R306.1 | length 196.9
  Top Layer w0.254: v3(113.1,63.45) 113.782,64.132 127.562,64.132 127.994,63.7 141.9,63.7 148.2,70 v3(148.2,71.45)
  Top Layer w3.81: PV603.1@28,21.389 28,43.5 PV603.1@28,65.611
  Bottom Layer w0.254: 108.8,51.5 108.8,59.15 v3(113.1,63.45) ; R306.1 148.15,71.5 v3(148.2,71.45)
  Bottom Layer w1.905: 104.9,51.5 108.8,51.5 111.3,51.5 112.6,52.8 115.435,52.8 116.435,53.8 R305.1@116.435,55.4
  Bottom Layer w3.81: PV603.1@28,65.611 40.401,53.21 49.415,53.21 50.625,52 81.825,52 83.035,53.21 97.015,53.21 98.225,52 104.4,52 104.9,51.5
V-: P803.1 P803.2 PV604.2 R301.1 | length 88.9
  Top Layer w0.254: v3(111.2,49.3) 112.2,50.3 112.2,60.9 115,63.7 127.383,63.7 127.815,63.268 151.257,63.268 155.88,67.891 155.88,74.62 v3(155.3,75.2)
  Top Layer w3.81: PV604.2@99.175,44.4 100.375,43.2 109.5,43.2
  Bottom Layer w0.254: 111.1,45 111.1,49.2 v3(111.2,49.3) ; R301.1 154.15,75.2 v3(155.3,75.2)
  Bottom Layer w1.905: v6@109.4,43.3 111.1,45 113.6,45
  Bottom Layer w3.81: v6@108.8,42.6 109.4,43.2 v6@109.4,43.3
  other v6: 108.4,42.5 109.7,42.5 109.7,43.8
V_buffer_out: OP301.7 R302.2 R311.2 | length 22.8
  Top Layer w0.254: v3(143.6,79.834) 143.6,76.8 146.9,73.5 154.098,73.5 v3(154.587,73.011)
  Bottom Layer w0.254: R311.2 v3(143.6,79.834) ; OP301.7 151.33,69.995 153.35,72.015 R302.2 154.226,72.65 v3(154.587,73.011)
V_out: P803.3 P803.4 R305.2 | length 29.8
  Bottom Layer w1.905: 114,42 115.07,42 118.7,42 122.8,46.1 122.8,53.3 120,56.1 117.6,58.5 115.965,58.5 114.765,59.7 R305.2@114.765,61.1
VIN0: C502_T1.2 R501_T1.1 U201.18 | length 10.4
  Bottom Layer w0.254: R501_T1.1 C502_T1.2 136.2,74.419 136.2,73.36 137.259,72.301 139.86,72.301 140.477,71.684 140.477,70.664 U201.18
VIN1: C502_T2.2 R501_T2.1 U201.19 | length 9.5
  Bottom Layer w0.254: R501_T2.1 C502_T2.2 137.993,75.45 138.3,75.143 138.3,73.123 138.651,72.772 140.128,72.772 141,71.9 U201.19
VIN2: C402_PD1.2 R402_PD1.1 U201.20 | length 8
  Bottom Layer w0.254: R402_PD1.1 C402_PD1.2 140.027,75.45 140.5,74.977 140.5,73.011 141.5,72.011 U201.20
VIN3: C402_PD2.2 R402_PD2.1 U201.1 | length 8.5
  Bottom Layer w0.254: R402_PD2.1 C402_PD2.2 142.755,74.195 142.755,71.045 142.755,69.496 U201.1
VIN4: C303.2 R311.1 U201.2 | length 10.1
  Bottom Layer w0.254: U201.2 143.6,68.941 144.429,69.77 144.429,74.201 143.997,74.633 143.997,75.252 143.799,75.45 C303.2 R311.1@143.599,77.349
VIN5: C302.2 R310.1 U201.3 | length 11.1
  Bottom Layer w0.254: U201.3 143.541,68.441 143.609,68.509 143.779,68.509 144.861,69.591 144.861,75.25 145.061,75.45 C302.2 R310.1
VIN6: C201.1 C202.2 C203.2 C204.1 C301.1 C302.1 C303.1 C401_PD1.1 C401_PD2.1 C402_PD1.1 C402_PD2.1 C501_T1.1 C501_T2.1 C502_T1.1 C502_T2.1 M701.1 M702.1 OP301.4 OP301.9 P701.1 P702.1 P703.1 P704.1 P801.4 P801.M1 P801.M2 P802.6 P802.M1 P802.M2 P803.M1 P803.M2 pad.5 pad.CHASSIS@167.5,4 pad.CHASSIS@167.5,64.5 pad.CHASSIS@202.5,4 pad.CHASSIS@202.5,64.5 R102.2 R307.2 R309.2 R401_PD1.1 R401_PD2.1 S701.1 S702.1 U201.4 U201.5 U201.6 U201.9 U201.13 U201.21 U501_T1.1 U501_T1.2 U501_T1.5 U501_T2.1 U501_T2.2 U501_T2.5 | length 38
  Top Layer w0.254: 120,58.1 P701.1 ; v5(123.6,79.54) P702.1 127.2,83.8 ; pad.CHASSIS@202.5,4 202.5,8.2
  Bottom Layer w0.254: v5(123.6,79.54) 124.986,79.54 125.055,79.471 ; v3(133.75,73.75) C502_T1.1 ; v3(135.1,65.3) 135.169,65.369 R102.2@135.169,66.7 ; v3(136.4,68.5) 136.459,68.441 U201.13 ; C502_T2.1 137.291,74.591 137.3,74.6 v3(137.3,74.597) ; C402_PD1.1 v3(139.369,74.591) ; U201.9 140,64.72 140.211,64.508 140.211,64.411 v3(140.2,64.4) ; 141.5,73.35 141.5,72.9 v3(142.1,72.3) ; v3@143.599,72.301 143.599,73.35 ; v3(145.7,72.3) C302.1 ; v3(148.7,74.2) 148.75,74.25 R307.2 ; R401_PD1.1 155.95,77.4 v3(156.2,77.15) ; v3(155.88,65.6) C301.1
  other v1: 12,4 16,4 20,4 24,4 28,4 32,4 36,4 40,4 44,4 48,4 52,4 64,4 68,4 72,4 76,4 80,4 84,4 88,4 92,4 96,4 112,4 116,4 128,4 132,4 136,4 140,4 144,4 148,4 152,4 156,4 160,4 164,4 6,8 10,8 14,8 18,8 22,8 26,8 30,8 34,8 38,8 42,8 46,8 50,8 54,8 62,8 66,8 70,8 74,8 78,8 82,8 86,8 90,8 94,8 98,8 106,8 110,8 122,8 126,8 130,8 134,8 138,8 142,8 146,8 150,8 154,8 158,8 162,8 166,8 170,8 202,8 206,8 210,8 8,12 12,12 52,12 56,12 100,12 112,12 116,12 120,12 124,12 132,12 136,12 140,12 144,12 148,12 152,12 156,12 160,12 164,12 168,12 204,12 6,16 10,16 50,16 54,16 98,16 110,16 118,16 122,16 126,16 130,16 134,16 138,16 142,16 146,16 150,16 154,16 158,16 162,16 166,16 170,16 4,20 8,20 72,20 96,20 104,20 108,20 112,20 128,20 136,20 140,20 144,20 148,20 152,20 156,20 160,20 164,20 168,20 208,20 212,20 6,24 10,24 106,24 110,24 114,24 118,24 122,24 126,24 138,24 142,24 146,24 150,24 154,24 158,24 162,24 166,24 170,24 210,24 4,28 8,28 96,28 108,28 112,28 116,28 120,28 128,28 136,28 140,28 144,28 148,28 152,28 156,28 160,28 164,28 168,28 208,28 212,28 6,32 10,32 110,32 114,32 118,32 122,32 126,32 130,32 138,32 142,32 146,32 150,32 154,32 158,32 162,32 166,32 170,32 210,32 4,36 8,36 104,36 108,36 152,36 160,36 164,36 168,36 208,36 212,36 6,40 10,40 14,40 106,40 110,40 114,40 122,40 126,40 130,40 138,40 142,40 154,40 158,40 162,40 166,40 170,40 210,40 4,44 8,44 72,44 116,44 124,44 128,44 140,44 148,44 156,44 160,44 164,44 168,44 208,44 212,44 10,48 14,48 106,48 110,48 114,48 126,48 130,48 142,48 146,48 154,48 158,48 162,48 166,48 170,48 210,48 135.884,51.884 4,52 8.578,52 120,52 128,52 160,52 164,52 168,52 208,52 212,52 10,56 34,56 106,56 110,56 142,56 146,56 158,56 162,56 166,56 170,56 210,56 4,60 8.578,60 96,60 104,60 108,60 120,60 136,60 160,60 164,60 168,60 208,60 212,60 10,64 106,64 110,64 146,64 162,64 174,64 178,64 182,64 186,64 190,64 194,64 198,64 206,64 210,64 119.884,67.884 4,68 8.578,68 96,68 104,68 108,68 148,68 160,68 164,68 168,68 172,68 176,68 180,68 184,68 188,68 192,68 196,68 200,68 204,68 208,68 212,68 50,72 54,72 98,72 102,72 110,72 114,72 122,72 126,72 130,72 134,72 162,72 166,72 170,72 174,72 178,72 182,72 186,72 190,72 194,72 198,72 202,72 206,72 8,76 52,76 56,76 60,76 100,76 104,76 124,76 128,76 132,76 156,76 160,76 164,76 168,76 172,76 176,76 180,76 184,76 188,76 192,76 196,76 200,76 204,76 10,80 14,80 22,80 26,80 30,80 34,80 38,80 42,80 46,80 50,80 54,80 58,80 62,80 66,80 70,80 74,80 78,80 82,80 86,80 90,80 94,80 98,80 122,80 126,80 130,80 134,80 162,80 166,80 170,80 174,80 178,80 182,80 186,80 190,80 194,80 198,80 202,80 100,84 112,84 116,84 120,84 128,84 132,84 136,84 140,84 160,84 164,84 168,84 172,84 176,84 180,84 184,84 188,84 192,84 196,84
  other v2: 16,12 20,12 24,12 28,12 32,12 36,12 40,12 44,12 48,12 60,12 64,12 68,12 72,12 76,12 80,12 84,12 88,12 92,12 96,12 14,16 18,16 22,16 26,16 30,16 34,16 38,16 42,16 46,16 58,16 62,16 66,16 70,16 74,16 78,16 82,16 86,16 90,16 94,16 12,20 16,20 20,20 24,20 32,20 36,20 40,20 44,20 48,20 56,20 60,20 64,20 68,20 80,20 84,20 88,20 92,20 14,24 18,24 22,24 34,24 38,24 42,24 46,24 58,24 62,24 66,24 70,24 82,24 86,24 90,24 94,24 12,28 16,28 20,28 24,28 32,28 36,28 40,28 44,28 48,28 56,28 60,28 64,28 68,28 72,28 80,28 84,28 88,28 92,28 14,32 18,32 22,32 34,32 38,32 42,32 46,32 58,32 62,32 66,32 70,32 82,32 86,32 90,32 94,32 12,36 16,36 20,36 24,36 32,36 56,36 60,36 64,36 68,36 72,36 80,36 18,40 22,40 34,40 58,40 62,40 66,40 70,40 82,40 12,44 16,44 20,44 24,44 32,44 56,44 60,44 64,44 68,44 80,44 18,48 22,48 34,48 58,48 62,48 66,48 70,48 82,48 12,52 16,52 20,52 24,52 32,52 36,52 14,56 18,56 22,56 42,56 46,56 58,56 62,56 66,56 70,56 82,56 86,56 90,56 94,56 12,60 16,60 20,60 24,60 40,60 44,60 48,60 56,60 60,60 64,60 68,60 72,60 80,60 84,60 88,60 92,60 14,64 18,64 22,64 34,64 38,64 42,64 46,64 58,64 62,64 66,64 70,64 82,64 86,64 90,64 94,64 12,68 16,68 20,68 24,68 32,68 36,68 40,68 44,68 48,68 56,68 60,68 64,68 68,68 72,68 80,68 84,68 88,68 92,68 14,72 18,72 22,72 26,72 30,72 34,72 38,72 42,72 46,72 58,72 62,72 66,72 70,72 74,72 78,72 82,72 86,72 90,72 94,72 16,76 20,76 24,76 28,76 32,76 36,76 40,76 44,76 48,76 64,76 68,76 72,76 76,76 80,76 84,76 88,76 92,76 96,76
  other v3: 55.431,1.8 60.497,1.8 155.88,62.697 145.7,69.714 153.451,70.119 143.6,72.3
  other v4: 139.95,67.891 141.05,67.891 139.95,68.991 141.05,68.991
  other v5: 123.6,7.443 123.6,23.057 122.755,62.009
VKnife: P802.4 R701.1 R703.1 | length 27.7
  Bottom Layer w0.762: R701.1 R701.1@130.15,57.312 ; R701.1@130.194,57.306 130.156,57.306 R701.1@130.15,57.312 ; P802.4 149.349,46.1 149.249,46 R703.1 135.15,51.294 130.15,56.294 R701.1@130.15,57.312
VKnife_Payload_Buffer: P801.1 R703.2 R704.2 | length 210.5
  Top Layer w0.762: v3@132.799,21.754 v3(132.799,22.65) 133.5,23.351 v3(133.5,38) v3(133.5,38.895)
  Bottom Layer w0.762: P801.1 9.129,47 7.665,48.465 7.665,69.665 22.633,84.633 95.268,84.633 102.527,77.374 109.427,77.374 113.441,73.36 114.371,73.36 118.4,69.332 118.4,65.897 118.141,65.639 118.141,64.761 118.866,64.037 122.366,64.037 127.5,58.902 127.5,56.75 133.85,50.4 R703.2 133.85,39.245 v3(133.5,38.895) v3(133.5,38) ; R704.2 131.545,20.5 v3(132.787,21.742) ; v3@132.799,21.754 v3(132.799,22.65)

## Polygon pours and split planes (outlines as drawn)
VIN6 on Top Layer "NONET_L04_P-001" (solid, remove dead copper, pour order 0): -2,93 -1,92 216.5,92 216.5,1 215.5,0 -4,0
VIN6 on Bottom Layer "NONET_L04_P-001" (solid, remove dead copper, pour order 1): -2,93 -1,92 216.5,92 216.5,1 215.5,0 -4,0

## Keep-outs
Keep-Out Layer:
  lines w0.254: 0,7 0,80 8.7,80 8.7,87 102.85,87 102.85,80 111.15,80 111.15,87 205.697,87 205.697,80 214,80 214,7 205.7,7 205.7,0 111.15,0 111.15,7 102.85,7 102.85,0 8.7,0 8.7,7 0,7 ; 36.35,36 48.5,36 48.5,51 36.35,51 36.35,36 ; 83.95,36 96.1,36 96.1,51 83.95,51 83.95,36 ; 171,3 199,3 199,8 206,15 206,61 171,61 171,3

## Other copper
Top Layer:
  region net V-: 101.7,69.7 96.65,69.7 96.65,19.1 101.7,19.1
  region net NetPV603_2: 54.1,69.7 49.05,69.7 49.05,19.1 54.1,19.1
Bottom Layer:
  rectangle net V-: 113.1,43.8 115,46.1
  rectangle net V_out: 113.1,40.9 115,43.1

## Silkscreen, mask and mechanical layers (free items; w line width, h text height)
Top Overlay:
  drawing of 3188 lines, arcs and shapes, not listed
  text "STARBOARD" at 51.8,84.6 h2
  text "HYPERION: ZENITH 2U" at 165.9,83.445 h3
  text "'.Print_Date'  V'.ProjectVersion' SVN '.SVNVersion'" at 165.802,81.122 h2
  text "Nicholas J. Sorensen" at 165.95,78.895 h2
  text "RAM" at 1.641,39.725 h2 r90
  text "ANTIRAM" at 213.441,37.56 h2 r90
  text "PORT" at 51.1,1.105 h2
Bottom Overlay:
  text "STARBOARD" at 61.5,84.6 h2
  text "0x2E" at 145.107,65.043 h0.7
  text "PayloadKnifeReturn" at 147.3,50.233 h0.7
  text "ANTIRAM" at 213.441,49.44 h2 r90
  text "VKnife" at 147.3,48.7 h0.7
  text "RAM" at 1.641,47.275 h2 r90
  text "UHFKnifeReturn_Z" at 147.4,47.217 h0.7
  text "VKnife_Pay" at 9,46.65 h0.7
  text "VKnife" at 147.3,45.7 h0.7
  text "VZ+" at 112.5,45.4 h0.7
  text "Knife_Ret" at 9,45.18 h0.7
  text "UHFSwitch_Z" at 147.5,44.1 h0.7
  text "VZ+" at 112.5,43.93 h0.7
  text "SwitchPay" at 9,43.85 h0.7
  text "GND_OBC" at 147.4,42.717 h0.7
  text "VZ-" at 112.5,42.6 h0.7
  text "GND" at 9,42.42 h0.7
  text "3V3" at 147.4,41.3 h0.7
  text "VZ-" at 112.5,41.17 h0.7
  text "SCL" at 147.3,39.8 h0.7
  text "SDA" at 147.3,38.3 h0.7
  text "PORT" at 68.2,1.162 h2
Mechanical 1:
  lines w0.254: 0,7 8.7,7 ; 0,7 0,80 ; 0,7 0,80 ; 0,7 8.7,7 ; 0,80 8.7,80 ; 0,80 8.7,80 ; 8.7,7 8.7,0 102.85,0 ; 8.7,80 8.7,87 ; 8.7,87 102.85,87 ; 8.7,87 102.85,87 ; 102.85,0 102.85,7 ; 102.85,0 102.85,7 ; 102.85,7 111.15,7 111.15,0 ; 102.85,87 102.85,80 111.15,80 111.15,87 ; 111.15,0 205.7,0 ; 111.15,0 205.7,0 ; 111.15,87 205.697,87 ; 111.15,87 205.697,87 ; 205.697,80 214,80 ; 205.697,80 205.697,87 ; 205.697,80 205.697,87 ; 205.7,0 205.7,7 214,7 ; 214,7 214,80 ; 214,7 214,80 ; 36.35,36 36.35,51 48.5,51 48.5,36 36.35,36 ; 83.95,36 83.95,51 96.1,51 96.1,36 83.95,36 ; 171,3 171,61 206,61 206,15 199,8 199,3 171,3

## Text inside footprints (layer, text, board x,y; h text height)
PV603: Top Overlay "-" at 52,60.645 h0.7 r270; Top Overlay "-" at 52,39.944 h0.7 r270; Top Overlay "-" at 52.028,26.406 h0.7 r270; Top Overlay "+" at 27.365,61.28 h0.7 r270; Top Overlay "+" at 27.365,39.055 h0.7 r270; Top Overlay "+" at 27.365,16.83 h0.7 r270
PV604: Top Overlay "+" at 74.965,16.83 h0.7 r270; Top Overlay "+" at 74.965,39.055 h0.7 r270; Top Overlay "+" at 74.965,61.28 h0.7 r270; Top Overlay "-" at 99.628,26.406 h0.7 r270; Top Overlay "-" at 99.6,39.944 h0.7 r270; Top Overlay "-" at 99.6,60.645 h0.7 r270